# Altium PCB LimePSB-RPCM_1v5.PcbDoc (part 9 of 12)
Units mm, origin at the board's own origin, x right, y up, seen from the top; angles counter-clockwise.
Board outline 170 x 110 mm, 6 copper layers (Top, L2, L3, L4, L5, Bottom), stack 1.583 mm thick; 998 components, 580 nets, 4160 pads, 1908 vias.
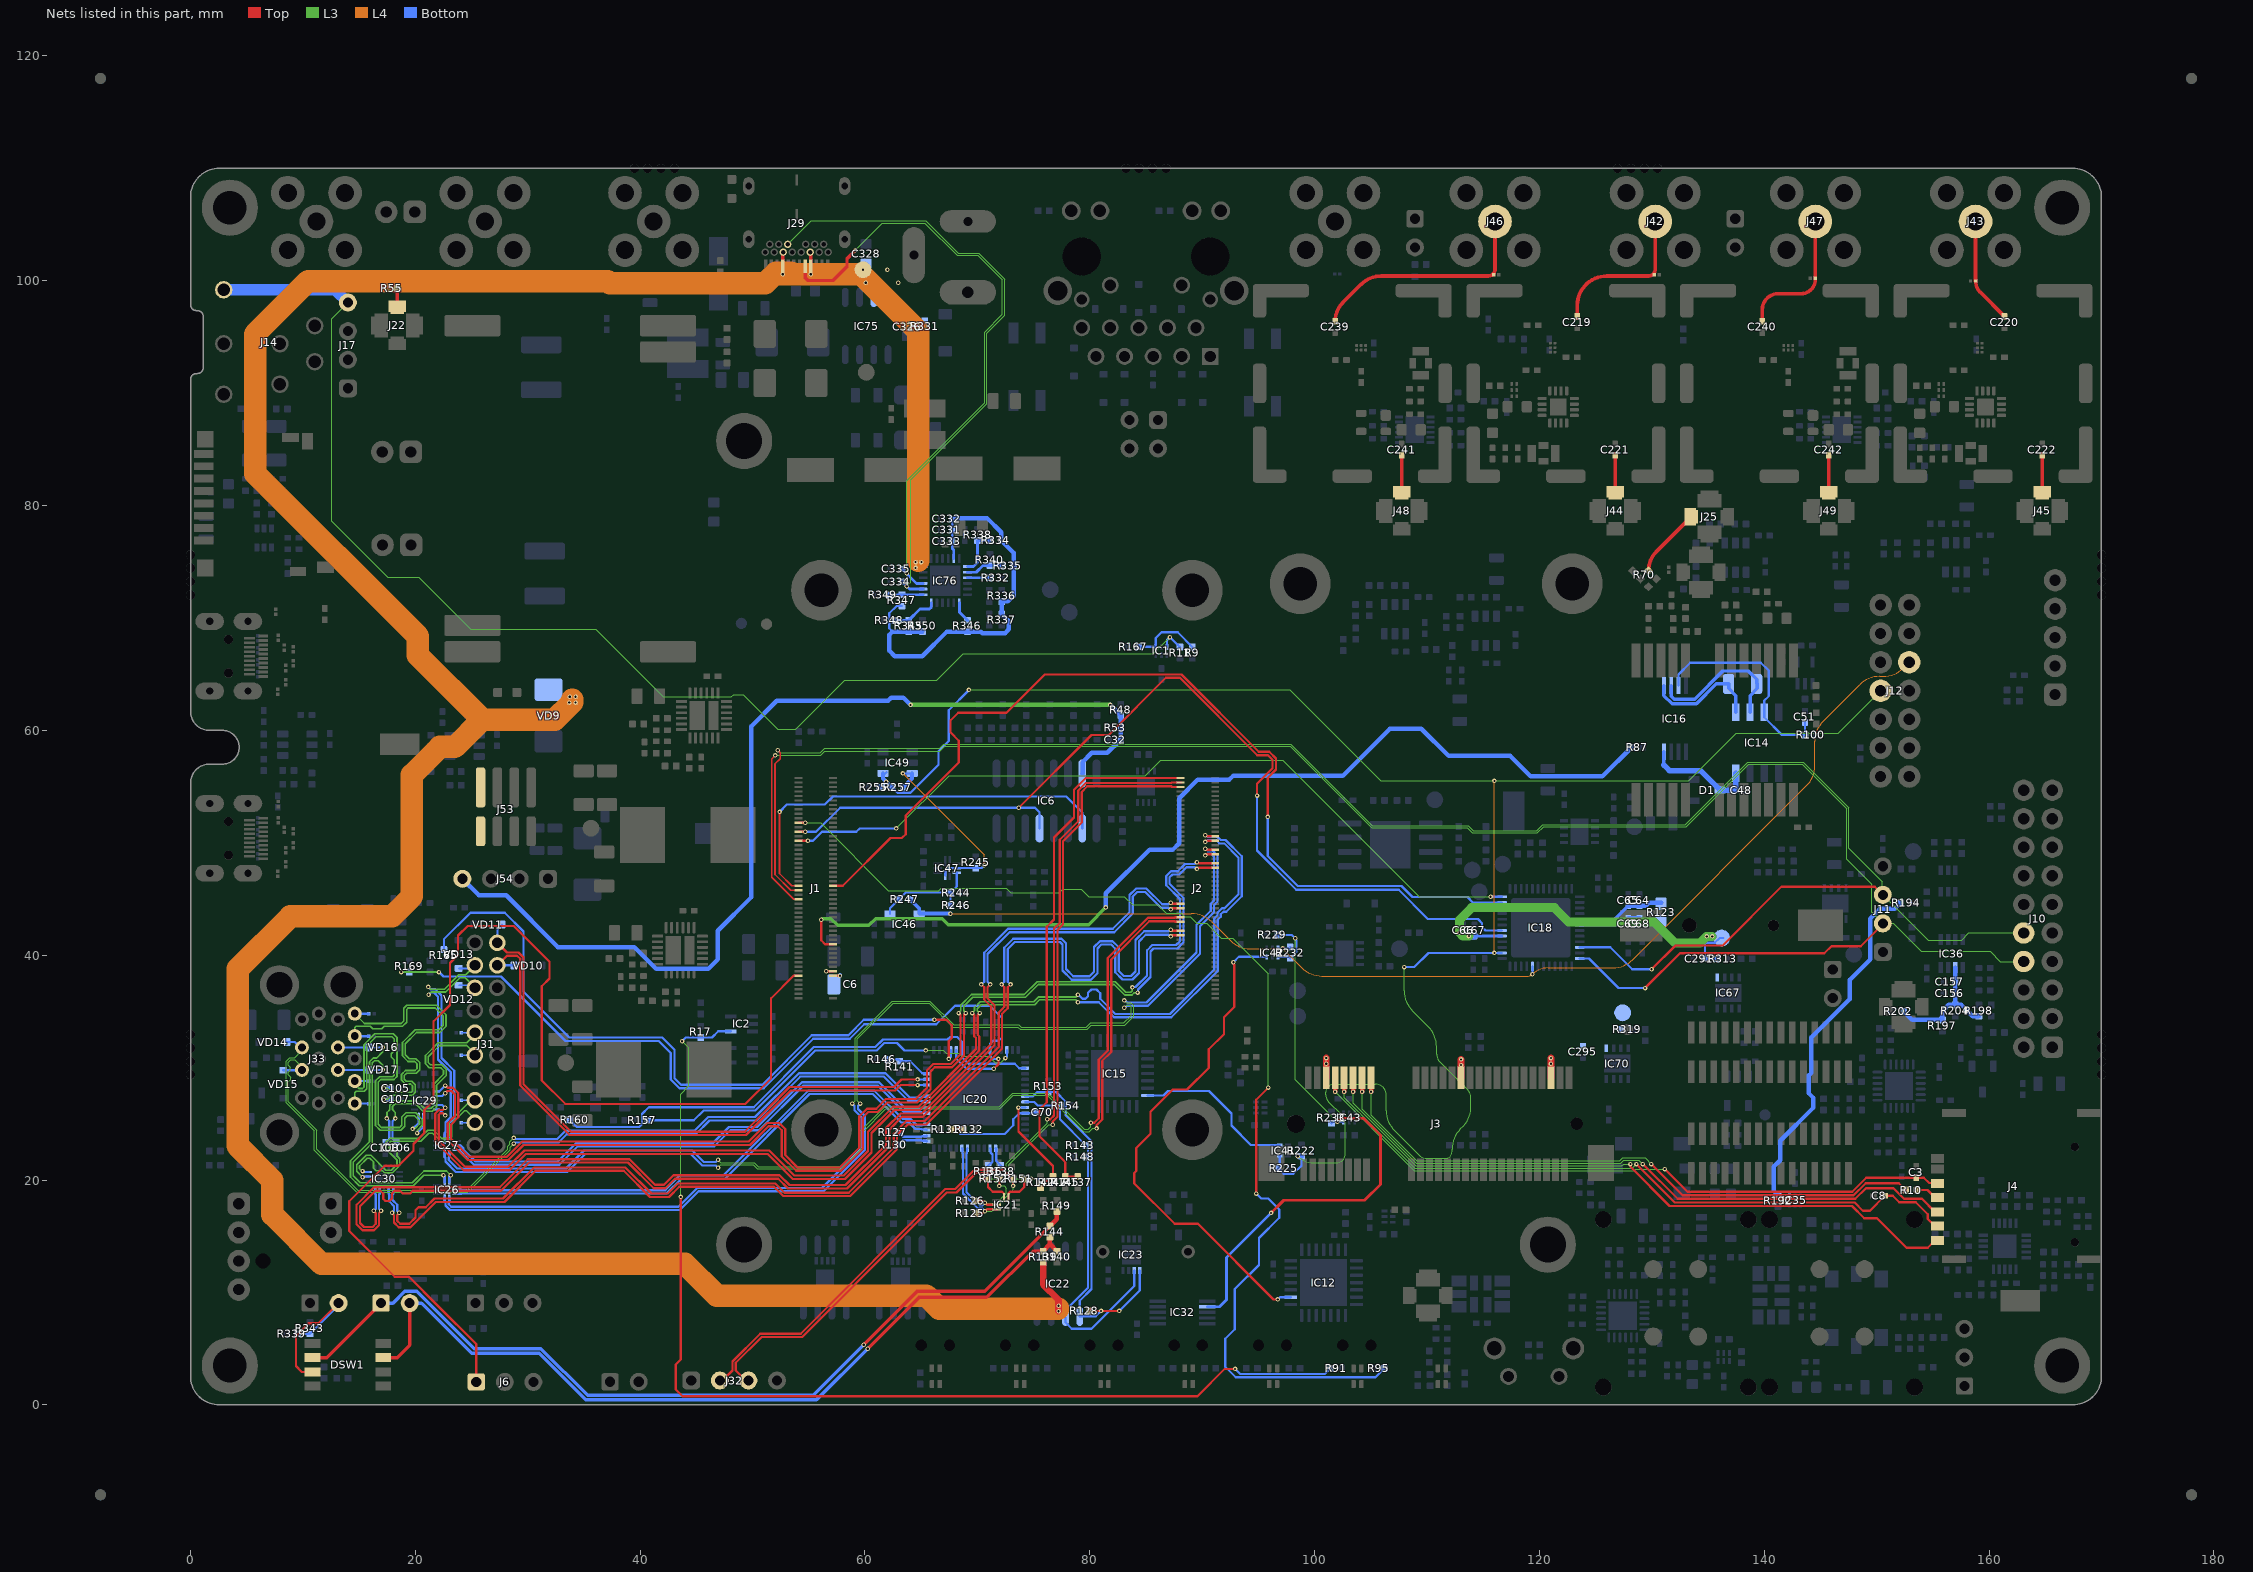
[diagram p13: the nets of this part, all layers, seen from the top]

## Via types
v1: diameter 0.4, hole 0.2, Top to Bottom, tented both sides, 1884 vias
v2: diameter 0.5, hole 0.2, Top to Bottom, tented both sides, 24 vias

## Nets (pads, with @x,y where several pads share a name; then routed paths per layer and width w, separated by ;. In a path a pad name is that pad's centre, name@x,y a point inside that pad or via, vN(x,y) a via of type N, cw(c..) or ccw(c..) an arc to the next point about the centre after c; other vN are vias at no path point) (continued)
RPI_SPI1_SCLK: IC6.13 IC18.6 J1.25 | length 87.9
  Top w0.2: J1.25@54.085,50.975 v1(54.695,50.975) ; v1(73.675,53.125) 80.15,59.6 81.675,59.6 86.75,64.675 88.025,64.675 94.907,57.793 95.857,57.793 96.25,57.4 96.25,56.625 94.875,55.25 v1(94.875,54.2)
  Bottom w0.2: v1(54.695,50.975) 55.65,50.975 57.8,53.125 v1(73.675,53.125) 75.125,53.125 75.525,52.725 IC6.13@75.525,51.275 ; v1(94.875,54.2) 94.875,49.325 98.375,45.825 107.475,45.825 110.075,43.225 114.525,43.225 114.9,42.85 114.9,42.5 115.2,42.2 IC18.6@116.675,42.2
RPI_SPI1_SS0: IC6.10 J1.49 | length 37.1
  Top w0.15: v1(52.4,52.75) 52.4,47.275 53.5,46.175 J1.49@54.085,46.175
  Bottom w0.2: v1(52.4,52.75) 53.05,53.4 56.425,53.4 57.15,54.125 77.9,54.125 79.333,52.692 IC6.10@79.333,51.277 IC6.10@79.335,51.275
RPI_SPI1_SS1: IC18.11 J1.50 | length 86
  Top w0.2: J1.50@57.165,46.175 58.027,46.175 62.277,50.425 63.277,50.425 63.625,50.773 63.625,52.423 68.35,57.148 68.35,59.075 67.619,59.806 67.619,60.894 68.3,61.575 72.6,61.575 76,64.975 88.15,64.975 95.025,58.1 95.975,58.1 96.575,57.5 96.575,56.525 95.825,55.775 v1(95.825,52.3)
  Bottom w0.2: v1(95.825,52.3) 95.825,48.826 98.501,46.15 107.725,46.15 108.7,45.175 113.6,45.175 114.075,44.7 IC18.11@116.675,44.7
RPI_SPI1_SS2: IC18.12 J1.29 | length 70.6
  Top w0.2: J1.29@54.085,50.175 v1(54.925,50.175)
  L3 w0.1: v1(62.775,51.275) 67.475,55.975 84.95,55.975 86.325,57.35 97.167,57.35 109.317,45.2 v1(115.65,45.2)
  Bottom w0.2: v1(54.925,50.175) 55.375,50.175 56.175,50.975 59.225,50.975 59.525,51.275 v1(62.775,51.275) ; v1(115.65,45.2) IC18.12@116.675,45.2
RPI_STATUS_LED_G: IC2.4 R17.1 R91.1 | length 96.3
  Top w0.2: v1(43.6,18.5) 43.6,4.025 43.175,3.6 43.175,1.375 43.775,0.775 89.575,0.775 92,3.2 v1(92.925,3.2)
  L3 w0.1: v1(43.6,18.5) 43.6,27.65 44.325,28.375 44.325,31.75 v1(43.725,32.35)
  Bottom w0.2: v1(43.725,32.35) 44.05,32.675 R17.1@45.4,32.675 46.4,32.675 46.955,33.23 IC2.4@48.06,33.23 ; v1(92.925,3.2) 93.375,2.75 100.91,2.75 R91.1@101.41,3.25
RPI_STATUS_LED_R: J1.21 R95.1 | length 101.4
  Top w0.2: J1.21@54.085,51.775 v1(54.695,51.775) ; v1@94.8,18.725 v1(94.8,18.8) 94.8,27.137 v1@95.875,28.213
  L3 w0.1: v1(54.695,51.775) 56.045,51.775 62.07,45.75 66.55,45.75 66.775,45.975 72.55,45.975 72.95,45.575 77.3,45.575 77.6,45.875 79.25,45.875 79.925,45.2 83.075,45.2 83.8,44.475 86.05,44.475 86.8,43.725 88.15,43.725 88.45,43.425 88.925,43.425 89.525,42.825 90.4,42.825 91.7,41.525 92.7,41.525 95.875,38.35 v1(95.875,28.225) v1@95.875,28.2
  Bottom w0.2: v1(94.8,18.8) 95.25,18.35 95.875,18.35 96.85,17.375 96.85,16.65 95.05,14.85 95.05,12.45 92.9,10.3 92.9,6.725 92.054,5.879 92.054,3.388 92.992,2.45 105.41,2.45 R95.1@106.21,3.25
RPI_SYNC_IN: IC18.2 IC41.4 IC49.4 J12.8 R222.1 R225.1 R255.1 R257.1 | length 179.3
  L3 w0.1: v1(69.25,63.6) 97.8,63.6 105.875,55.525 116,55.525 133.275,55.525 137.5,59.75 146.579,59.75 J12.8@150.354,63.525 ; v1(98.5,22.125) ccw(c99.949,23.574) 99.949,21.525 101.94,21.525 ccw(c101.94,22.31) 102.725,22.31 102.725,24.918 ccw(c101.368,24.918) 102.328,25.878 101.272,26.933 cw(c101.928,27.589) 101,27.589 101,27.825 cw(c101.7,27.825) 101.7,28.525 105.4,28.525 cw(c105.4,27.55) 106.375,27.55 106.375,26.177 ccw(c108.915,26.177) 107.119,24.381 109.292,22.208 ccw(c109.975,22.891) 109.975,21.925 111.65,21.925 ccw(c111.65,22.5) 112.225,22.5 112.225,22.748 cw(c114.765,22.748) 112.969,24.544 113.25,24.825 ccw(c111.681,26.394) 113.9,26.394 113.9,27.375 ccw(c112.995,27.375) 113.635,28.015 111.133,30.517 cw(c111.816,31.2) 110.85,31.2 110.85,31.848 ccw(c108.31,31.848) 110.106,33.644 108.719,35.031 cw(c110.515,36.827) 107.975,36.827 v1(107.975,38.95)
  L4 w0.1: v1(116,40.2) v1(116,55.5) v1@116,55.525
  Bottom w0.2: IC49.4@61.6,56.175 61.8,56.175 61.925,56.3 IC49.4@61.925,56.305 ; R257.1@62.4,54.953 62.9,54.453 64.053,54.453 66.55,56.95 66.55,58.15 67.45,59.05 67.45,61.8 v1(69.25,63.6) ; IC41.4@96.9,22.125 96.9,21.187 R225.1@96.762,21.05 97.263,20.55 98.11,20.55 98.837,21.277 R222.1@98.837,22.125 ; v1(107.975,38.95) 108.875,38.95 110.125,40.2 v1(116,40.2) IC18.2@116.675,40.2
  Bottom w0.35: R255.1@61.3,54.95 61.425,55.075 61.525,55.075 v1(61.875,55.425) ; IC49.4@61.6,56.175 61.6,55.703 R257.1@62.4,54.903
  Bottom w0.4: v1(98.5,22.125) R222.1@98.837,22.125
RPI_SYNC_IN_LS: IC47.4 IC47.7 IC49.3 R245.1 R257.2 | length 17.7
  L4 w0.1: v1(63.375,56.175) 70.625,48.925 v1(70.625,48)
  Bottom w0.2: v1(63.375,56.175) IC49.3@64.2,56.175 ; IC47.7@67.123,47.1 67.133,47.11 67.133,47.508 67.375,47.75 IC47.4@68.173,47.75 R245.1@69.863,47.75 70.375,47.75 v1(70.625,48)
  Bottom w0.35: R257.2@63.4,54.903 64.2,55.703 IC49.3@64.2,56.175
RPI_SYNC_IN_SEL: IC15.21 IC41.6 | length 14.5
  Bottom w0.2: IC15.21@85.15,27.525 86.55,27.525 86.95,27.925 90.6,27.925 92.6,25.925 92.6,24.85 94.325,23.125 IC41.6@96.9,23.125
RPI_SYNC_OUT: IC18.44 IC42.3 IC46.4 J12.9 R232.2 R247.1 | length 106.9
  L4 w0.1: v1(67.6,43.7) 89.023,43.7 89.047,43.7 cw(c89.047,41.16) 90.843,42.956 92.481,41.319 ccw(c94.277,43.115) 94.277,40.575 97.175,40.575 98.856,38.894 ccw(c100.652,40.69) 100.652,38.15 119.013,38.15 ccw(c119.013,38.662) v1(119.375,38.3) cw(c120.763,36.912) 120.763,38.875 126.523,38.875 ccw(c126.523,41.415) 128.319,39.619 143.756,55.056 ccw(c141.96,56.852) 144.5,56.852 144.5,59.023 cw(c147.04,59.023) 145.244,60.819 148.481,64.056 cw(c150.277,62.26) 150.277,64.8 150.576,64.8 ccw(c150.576,67.34) 152.373,65.544 J12.9@152.896,66.068
  Bottom w0.2: IC42.3@96.75,40.588 97.687,40.588 R232.2@97.825,40.725 ; v1(119.375,38.3) IC18.44@119.375,39
  Bottom w0.35: R247.1@64.025,44.972 64.825,44.172 IC46.4@64.825,43.7 v1(67.6,43.7)
  other v1: 97.175,40.6
RPI_SYNC_OUT_LS: IC46.3 IC47.5 R244.1 R246.1 R247.2 | length 9.6
  Bottom w0.2: IC46.3@62.225,43.7 62.225,44.172 R247.2@63.025,44.972 63.628,45.575 67.625,45.575 68.173,46.123 IC47.5@68.173,47.35 ; R246.1@67.6,44.45 R244.1@67.6,45.55
RPI_TVDAC: IC1.3 J14.1 J17.4 R11.1 | length 119.6
  L3 w0.1: J17.4@14,98.064 12.575,96.639 12.575,78.6 17.55,73.625 20.3,73.625 24.925,69 36.05,69 42.075,62.975 48.105,62.975 48.305,63.175 49.175,63.175 52.25,60.1 53.85,60.1 58.2,64.45 66.375,64.45 68.725,66.8 85.631,66.8 v1(87.125,68.294)
  Bottom w0.2: IC1.3@86.875,67.437 86.875,68.044 v1(87.125,68.294) 87.794,67.625 87.825,67.625 R11.1@88.025,67.425
  Bottom w1: J14.1@2.95,99.2 12.864,99.2 J17.4@14,98.064
RPI_UART0_RX: IC18.34 J1.51 J10.10 J11.3 | length 171.7
  Top w0.15: v1(52.25,58.225) 52.45,58.025 52.45,57.479 52,57.029 52,47.175 53.4,45.775 J1.51@54.085,45.775
  Top w0.2: v1(129.975,38.75) 132.1,40.875 136.3,40.875 141.525,46.1 149.821,46.1 J11.3@150.55,45.371
  L3 w0.1: v1(52.25,58.225) 52.475,58 56.025,58 56.425,58.4 66.65,58.4 67.025,58.775 67.925,58.775 97.899,58.775 105.149,51.525 113.658,51.525 114.108,51.075 119.742,51.075 120.292,51.625 132.969,51.625 138.519,57.175 143.458,57.175 147.525,53.108 147.525,49.5 150.509,46.516 150.509,45.371 J11.3@150.55,45.371 154.571,41.35 157.55,41.35 158.18,41.98 J10.10@163.08,41.98
  Bottom w0.2: IC18.34@123.575,40.7 126.3,40.7 128.25,38.75 v1(129.975,38.75)
RPI_UART0_TX: IC18.36 J1.55 J10.8 J11.2 | length 173.1
  Top w0.15: v1(52.025,57.775) 51.7,57.45 51.7,46.925 53.65,44.975 J1.55@54.085,44.975
  Top w0.2: v1(129.4,37.075) 132.5,40.175 145.35,40.175 145.975,40.8 148.591,40.8 150.55,42.759 J11.2@150.55,42.829
  L3 w0.1: v1(52.025,57.775) 56.083,57.775 56.433,58.125 66.658,58.125 67.108,58.575 67.842,58.575 97.816,58.575 105.066,51.325 113.575,51.325 114.025,50.875 119.825,50.875 120.375,51.425 133.052,51.425 138.602,56.975 143.375,56.975 147.325,53.025 147.325,48.55 149.575,46.3 149.575,43.804 J11.2@150.55,42.829 151.496,42.829 153.975,40.35 160.1,40.35 161.01,39.44 J10.8@163.08,39.44
  Bottom w0.2: IC18.36@123.575,39.7 124.4,39.7 127.025,37.075 v1(129.4,37.075)
RPI_USB3_D0_N: IC26.7 J2.36 | length 99.5
  Top w0.2: v1(90.28,48.875) 90.38,48.975 J2.36@91.165,48.975
  L3 w0.1: v1(59.575,26.8) 59.325,27.05 59.325,32.55 62.5,35.725 65.697,35.725 67.822,33.6 73.6,33.6 73.8,33.4 79.775,33.4 80.15,33.775 83.125,33.775 83.9,34.55 83.9,35.483 83.633,35.75 83.296,35.75 v1(83.071,35.975)
  Bottom w0.2: IC26.7@22.625,18.5 22.625,18.1 22.675,18.05 22.675,17.725 23.075,17.325 43.524,17.325 45.199,19 56.299,19 60,22.701 60,25.699 59.375,26.324 59.375,26.583 59.575,26.783 v1(59.575,26.8) ; v1(83.071,35.975) 83.125,35.975 83.3,35.8 85.051,35.8 89.5,40.249 89.5,42.699 90.75,43.949 90.75,44.574 91.05,44.874 91.05,48.775 90.8,49.025 90.484,49.025 90.334,48.875 v1(90.28,48.875)
RPI_USB3_D0_P: IC26.6 J2.34 | length 99.1
  Top w0.2: v1(90.28,49.475) 90.38,49.375 J2.34@91.165,49.375
  L3 w0.1: v1(58.875,26.8) 59.125,27.05 59.125,32.633 62.417,35.925 65.575,35.925 65.78,35.925 67.905,33.8 73.683,33.8 73.883,33.6 79.692,33.6 80.067,33.975 83.042,33.975 83.7,34.633 83.7,35.4 83.55,35.55 83.296,35.55 v1(83.071,35.325)
  Bottom w0.2: IC26.6@23.025,18.5 23.025,18.1 22.975,18.05 22.975,17.849 23.199,17.625 43.4,17.625 45.075,19.3 45.324,19.3 56.175,19.3 59.7,22.825 59.7,25.575 59.075,26.2 59.075,26.583 58.875,26.783 v1(58.875,26.8) ; v1(83.071,35.325) 83.125,35.325 83.3,35.5 85.175,35.5 89.8,40.125 89.8,42.575 91.05,43.825 91.05,44.45 91.35,44.75 91.35,48.899 90.924,49.325 90.484,49.325 90.334,49.475 v1(90.28,49.475)
RPI_USB3_D1_N: IC27.7 J2.65 | length 88.7
  Top w0.2: v1(80.6,24.592) 80.6,24.875 81.1,25.375 81.1,30.601 81.9,31.401 81.9,39.626 85.299,43.025 87.561,43.025 87.611,42.975 J2.65@88.085,42.975
  L3 w0.1: v1(46.925,21.1) 47.175,21.35 50.067,21.35 50.417,21 57.883,21 59.825,22.942 59.825,24.292 61.858,26.325 72.008,26.325 73.208,27.525 76.217,27.525 79.44,24.302 79.956,24.302 80.246,24.592 v1(80.6,24.592)
  Bottom w0.2: IC27.7@22.625,22.425 22.625,22.025 22.675,21.975 22.675,21.65 23.6,20.725 33.524,20.725 35.124,22.325 44.5,22.325 45.525,21.3 46.725,21.3 v1(46.925,21.1)
RPI_USB3_D1_P: IC27.6 J2.63 | length 88.2
  Top w0.2: v1(80.105,25.087) 80.388,25.087 80.8,25.499 80.8,30.725 81.6,31.525 81.6,39.75 85.175,43.325 87.561,43.325 87.611,43.375 J2.63@88.085,43.375
  L3 w0.1: v1(46.925,21.8) 47.175,21.55 50.15,21.55 50.5,21.2 57.8,21.2 59.625,23.025 59.625,24.375 61.775,26.525 71.925,26.525 73.125,27.725 76.3,27.725 79.523,24.502 79.873,24.502 80.105,24.734 v1(80.105,25.087)
  Bottom w0.2: IC27.6@23.025,22.425 23.025,22.025 22.975,21.975 22.975,21.774 23.724,21.025 33.4,21.025 35,22.625 44.624,22.625 45.649,21.6 46.725,21.6 v1(46.925,21.8)
RPI_USB3_RX0_N: IC29.4 J2.28 | length 105.4
  Top w0.2: v1(22.65,26.425) 22.618,26.425 22.43,26.238 22.088,26.238 21.775,25.924 21.775,23.4 24.3,20.875 27.751,20.875 28.374,20.875 29.824,22.325 32.948,22.325 51.35,22.325 53.575,20.1 58.225,20.1 60.575,22.45 60.575,24.176 62.628,26.228 64.878,26.228 70.175,31.526 70.175,32.775 70.025,32.925 70.025,34.675 v1(70.2,34.85) ; v1(90.28,50.675) 90.38,50.575 J2.28@91.165,50.575
  L3 w0.15: v1(70.2,34.85) 70.2,34.863 70,35.063 70,35.251 70.349,35.6 75.104,35.6 75.529,36.025 78.549,36.025 78.737,36.025 78.937,35.825 v1(78.95,35.825)
  Bottom w0.2: IC29.4@21.877,26.675 22.4,26.675 v1(22.65,26.425) ; v1(78.95,35.825) 80.8,35.825 82.15,34.475 87.25,34.475 91.375,38.6 91.375,43.15 91.65,43.425 91.65,43.641 91.884,43.875 92.15,43.875 93.525,45.25 93.525,48.8 92.075,50.25 91.642,50.25 91.367,50.525 90.484,50.525 90.334,50.675 v1(90.28,50.675)
RPI_USB3_RX0_P: IC29.5 J2.30 | length 104.7
  Top w0.2: v1(22.65,25.75) 22.618,25.75 22.43,25.938 22.213,25.938 22.075,25.8 22.075,23.524 24.424,21.175 28.25,21.175 29.7,22.625 51.226,22.625 51.474,22.625 53.699,20.4 58.101,20.4 60.275,22.574 60.275,24.3 62.503,26.528 64.753,26.528 69.875,31.65 69.875,32.651 69.725,32.801 69.725,34.675 v1(69.55,34.85) ; v1(90.28,50.075) 90.38,50.175 J2.30@91.165,50.175
  L3 w0.15: v1(69.55,34.85) 69.55,34.863 69.75,35.063 69.75,35.355 70.245,35.85 75,35.85 75.425,36.275 78.445,36.275 78.737,36.275 78.937,36.475 v1(78.95,36.475)
  Bottom w0.2: IC29.5@21.877,26.275 22.125,26.275 v1(22.65,25.75) ; v1(78.95,36.475) 79.004,36.475 79.354,36.125 79.625,36.125 79.85,36.35 79.85,36.65 80.15,36.95 80.6,36.95 80.924,36.626 80.924,36.125 82.274,34.775 87.126,34.775 91.075,38.724 91.075,43.274 91.35,43.549 91.35,43.765 91.76,44.175 91.976,44.175 93.225,45.424 93.225,48.676 91.951,49.95 91.518,49.95 91.243,50.225 90.484,50.225 90.334,50.075 v1(90.28,50.075)
RPI_USB3_RX1_N: IC30.4 J2.57 | length 103.3
  Top w0.2: v1(16.95,17.275) 16.95,17.221 16.775,17.046 16.775,15.976 16.324,15.525 15.301,15.525 14.775,16.051 14.775,17.799 16.326,19.35 27.499,19.35 29.999,21.85 39.049,21.85 41.324,19.575 42.126,19.575 42.976,20.425 52.4,20.425 53.275,19.55 58.275,19.55 61.875,23.15 61.875,24.624 63.176,25.925 65.045,25.925 71.225,32.105 71.225,35.425 70.6,36.05 70.6,37.15 v1(70.35,37.4) ; v1(87.2,44.675) 87.3,44.575 J2.57@88.085,44.575
  Bottom w0.2: IC30.4@16.823,19.148 16.823,18.768 16.773,18.718 16.773,17.452 v1(16.95,17.275) ; v1(70.35,37.4) 70.6,37.65 70.6,40.224 72.726,42.35 82.05,42.35 83.529,43.829 83.529,45.354 84.1,45.925 85.049,45.925 86.449,44.525 86.996,44.525 87.146,44.675 v1(87.2,44.675)
RPI_USB3_RX1_P: IC30.5 J2.59 | length 103.3
  Top w0.2: v1(16.3,17.275) 16.3,17.221 16.475,17.046 16.475,16.1 16.2,15.825 15.425,15.825 15.075,16.175 15.075,17.675 16.45,19.05 16.875,19.05 17.15,18.775 17.15,18.325 17.35,18.125 17.685,18.125 17.925,18.365 17.925,18.8 18.175,19.05 18.625,19.05 18.875,18.8 19.525,18.8 19.775,19.05 27.624,19.05 30.124,21.55 38.925,21.55 41.2,19.275 42.25,19.275 43.1,20.125 52.276,20.125 53.151,19.25 53.399,19.25 58.399,19.25 62.175,23.026 62.175,24.5 63.3,25.625 65.17,25.625 71.525,31.98 71.525,35.549 70.9,36.174 70.9,37.15 v1(71.15,37.4) ; v1(87.2,44.075) 87.3,44.175 J2.59@88.085,44.175
  Bottom w0.2: v1(16.3,17.275) 16.473,17.448 16.473,18.718 16.423,18.768 IC30.5@16.423,19.148 ; v1(71.15,37.4) 70.9,37.65 70.9,40.1 72.85,42.05 82.174,42.05 83.829,43.705 83.829,45.23 84.224,45.625 84.925,45.625 86.325,44.225 86.996,44.225 87.146,44.075 v1(87.2,44.075)
RPI_USB3_TX0_N: IC29.1 J2.40 | length 103.6
  Top w0.2: v1(22.65,28.4) 22.682,28.4 22.87,28.212 23.349,28.212 23.825,27.737 23.825,25.576 23.175,24.926 23.175,23.674 24.774,22.075 28.151,22.075 29.501,23.425 49.651,23.425 51.301,25.075 52.374,25.075 52.9,24.549 52.9,22.224 53.999,21.125 57.751,21.125 59.5,22.874 59.5,25.674 60.176,26.35 61,26.35 61.85,27.2 64.526,27.2 65.525,28.199 65.525,29.774 66.076,30.325 67.626,30.325 68.5,31.199 68.5,34.675 v1(68.325,34.85) ; v1(89.53,48.275) 89.63,48.175 J2.40@91.165,48.175
  L3 w0.15: v1(68.325,34.85) 68.325,34.863 68.525,35.063 68.525,35.251 68.525,35.554 69.471,36.5 74.175,36.5 75.325,37.65 82.275,37.65 83.209,36.716 83.655,36.716 83.781,36.843 83.781,37.126 v1(83.79,37.135)
  Bottom w0.2: IC29.1@21.877,27.875 22.125,27.875 v1(22.65,28.4) ; v1(83.79,37.135) 83.829,37.173 84.076,37.173 85.1,38.197 85.1,40.449 85.551,40.9 87.675,40.9 88.025,41.25 88.025,45 86.8,46.225 86.8,47.05 87.225,47.475 87.825,47.475 88.475,48.125 89.326,48.125 89.476,48.275 v1(89.53,48.275)
RPI_USB3_TX0_P: IC29.2 J2.42 | length 103.5
  Top w0.2: v1(22.65,27.725) 22.682,27.725 22.87,27.912 23.225,27.912 23.525,27.613 23.525,25.7 22.875,25.05 22.875,23.55 24.65,21.775 28.275,21.775 29.625,23.125 33.124,23.125 49.775,23.125 51.425,24.775 52.25,24.775 52.6,24.425 52.6,22.1 53.875,20.825 57.875,20.825 59.8,22.75 59.8,25.55 60.3,26.05 61.124,26.05 61.974,26.9 64.65,26.9 65.825,28.075 65.825,29.65 66.2,30.025 67.75,30.025 68.8,31.075 68.8,34.675 v1(68.975,34.85) ; v1(89.53,47.675) 89.63,47.775 J2.42@91.165,47.775
  L3 w0.15: v1(68.975,34.85) 68.975,34.863 68.775,35.063 68.775,35.45 69.575,36.25 74.279,36.25 75.429,37.4 82.171,37.4 83.105,36.466 83.759,36.466 83.958,36.666 84.241,36.666 v1(84.25,36.675)
  Bottom w0.2: IC29.2@21.877,27.475 22.4,27.475 v1(22.65,27.725) ; v1(84.25,36.675) 84.288,36.713 84.288,36.961 85.4,38.072 85.4,40.325 85.675,40.6 87.799,40.6 88.325,41.126 88.325,45.124 87.1,46.349 87.1,46.926 87.349,47.175 87.949,47.175 88.599,47.825 89.326,47.825 89.476,47.675 v1(89.53,47.675)
RPI_USB3_TX1_N: IC30.1 J2.69 | length 103.5
  Top w0.2: v1(18.575,17.1) 18.575,17.046 18.4,16.871 18.4,16.35 18.65,16.1 19.451,16.1 20.013,16.663 20.013,17.313 20.275,17.575 20.926,17.575 21.701,18.35 27.799,18.35 30.574,21.125 38.674,21.125 40.999,18.8 42.45,18.8 43.35,19.7 52.024,19.7 52.849,18.875 58.555,18.875 62.55,22.87 62.55,24.124 63.676,25.25 65.325,25.25 71.9,31.825 71.9,34.912 72.252,35.264 72.4,35.412 72.4,37.15 v1(72.15,37.4) ; v1(87.2,42.275) 87.3,42.175 J2.69@88.085,42.175
  Bottom w0.2: IC30.1@18.023,19.148 18.023,18.768 17.968,18.713 17.968,18.232 18.4,17.8 18.4,17.275 v1(18.575,17.1) ; v1(72.15,37.4) 72.4,37.65 72.4,40.675 73.2,41.475 77.474,41.475 77.875,41.074 77.875,38.774 78.524,38.125 79.975,38.125 80.375,38.525 80.375,40.724 80.901,41.25 82.024,41.25 82.575,40.699 82.575,38.6 83.025,38.15 83.676,38.15 84.075,38.549 84.075,41.349 84.851,42.125 86.996,42.125 87.146,42.275 v1(87.2,42.275)
RPI_USB3_TX1_P: IC30.2 J2.71 | length 103.6
  Top w0.2: v1(17.925,17.1) 17.925,17.046 18.1,16.871 18.1,16.226 18.526,15.8 19.575,15.8 21.825,18.05 27.924,18.05 30.699,20.825 38.55,20.825 40.875,18.5 42.574,18.5 43.474,19.4 51.9,19.4 52.725,18.575 58.679,18.575 62.85,22.746 62.85,24 63.8,24.95 65.449,24.95 72.2,31.701 72.2,34.788 72.376,34.964 72.7,35.288 72.7,37.15 v1(72.95,37.4) ; v1(87.2,41.675) 87.3,41.775 J2.71@88.085,41.775
  Bottom w0.2: IC30.2@17.623,19.148 17.623,18.753 17.668,18.708 17.668,18.108 18.1,17.676 18.1,17.275 v1(17.925,17.1) ; v1(72.95,37.4) 72.7,37.65 72.7,40.551 73.324,41.175 77.35,41.175 77.575,40.95 77.575,38.65 78.4,37.825 80.099,37.825 80.675,38.401 80.675,40.6 81.025,40.95 81.9,40.95 82.275,40.575 82.275,38.476 82.901,37.85 83.8,37.85 84.375,38.425 84.375,41.225 84.975,41.825 86.996,41.825 87.146,41.675 v1(87.2,41.675)
RPI_USB_D_N: IC21.2 J2.3 R152.2 | length 52.1
  Top w0.2: v1(70.325,20.106) R152.2@70.95,20.106 70.95,19.375 71.375,18.95 72.2,18.95 72.375,18.775 IC21.2@72.375,18.45 ; v1(76.205,25.412) 76.488,25.412 76.825,25.749 76.825,42.374 77.325,42.874 77.325,50.275 78.975,51.925 78.975,54.65 79.65,55.325 87.25,55.325 87.3,55.375 J2.3@88.085,55.375
  L3 w0.1: v1(70.325,20.106) 72.056,20.106 72.575,20.625 72.575,21.429 76.205,25.059 v1(76.205,25.412)
RPI_USB_D_P: IC21.1 J2.5 R151.2 | length 51.5
  Top w0.2: IC21.1@72.775,18.4 72.775,18.825 72.9,18.95 73.75,18.95 74.175,19.375 R151.2@74.175,20.1 v1(74.8,20.1) ; v1(76.7,24.917) 76.7,25.2 77.125,25.625 77.125,42.25 77.625,42.75 77.625,50.151 79.275,51.801 79.275,54.526 79.774,55.025 87.25,55.025 87.3,54.975 J2.5@88.085,54.975
  L3 w0.1: v1(74.8,20.1) 73.3,20.1 72.775,20.625 72.775,21.346 76.346,24.917 v1(76.7,24.917)
RPI_USB_OTG_ID: J2.1 R137.1 R145.2 | length 47.7
  Top w0.2: R137.1@78.925,20.306 R145.2@77.825,20.306 77.825,21.6 75.525,23.9 75.525,26.275 76.175,26.925 76.175,42.525 76.825,43.175 76.825,50.475 78.6,52.25 78.6,54.725 79.65,55.775 J2.1@88.085,55.775
RPI_VBAT: J1.76 R87.1 | length 89
  Top w0.2: v1(56.1,43.15) 56.1,41.325 56.45,40.975 J1.76@57.165,40.975
  L3 w0.3: v1(56.1,43.15) 56.2,43.25 56.975,43.25 57.575,42.65 60.35,42.65 60.95,43.25 66.875,43.25 67.4,42.725 79.9,42.725 v1(81.425,44.25)